# Altium PCB 4 Layers Motherboard.PcbDoc (part 1 of 3) (continued)
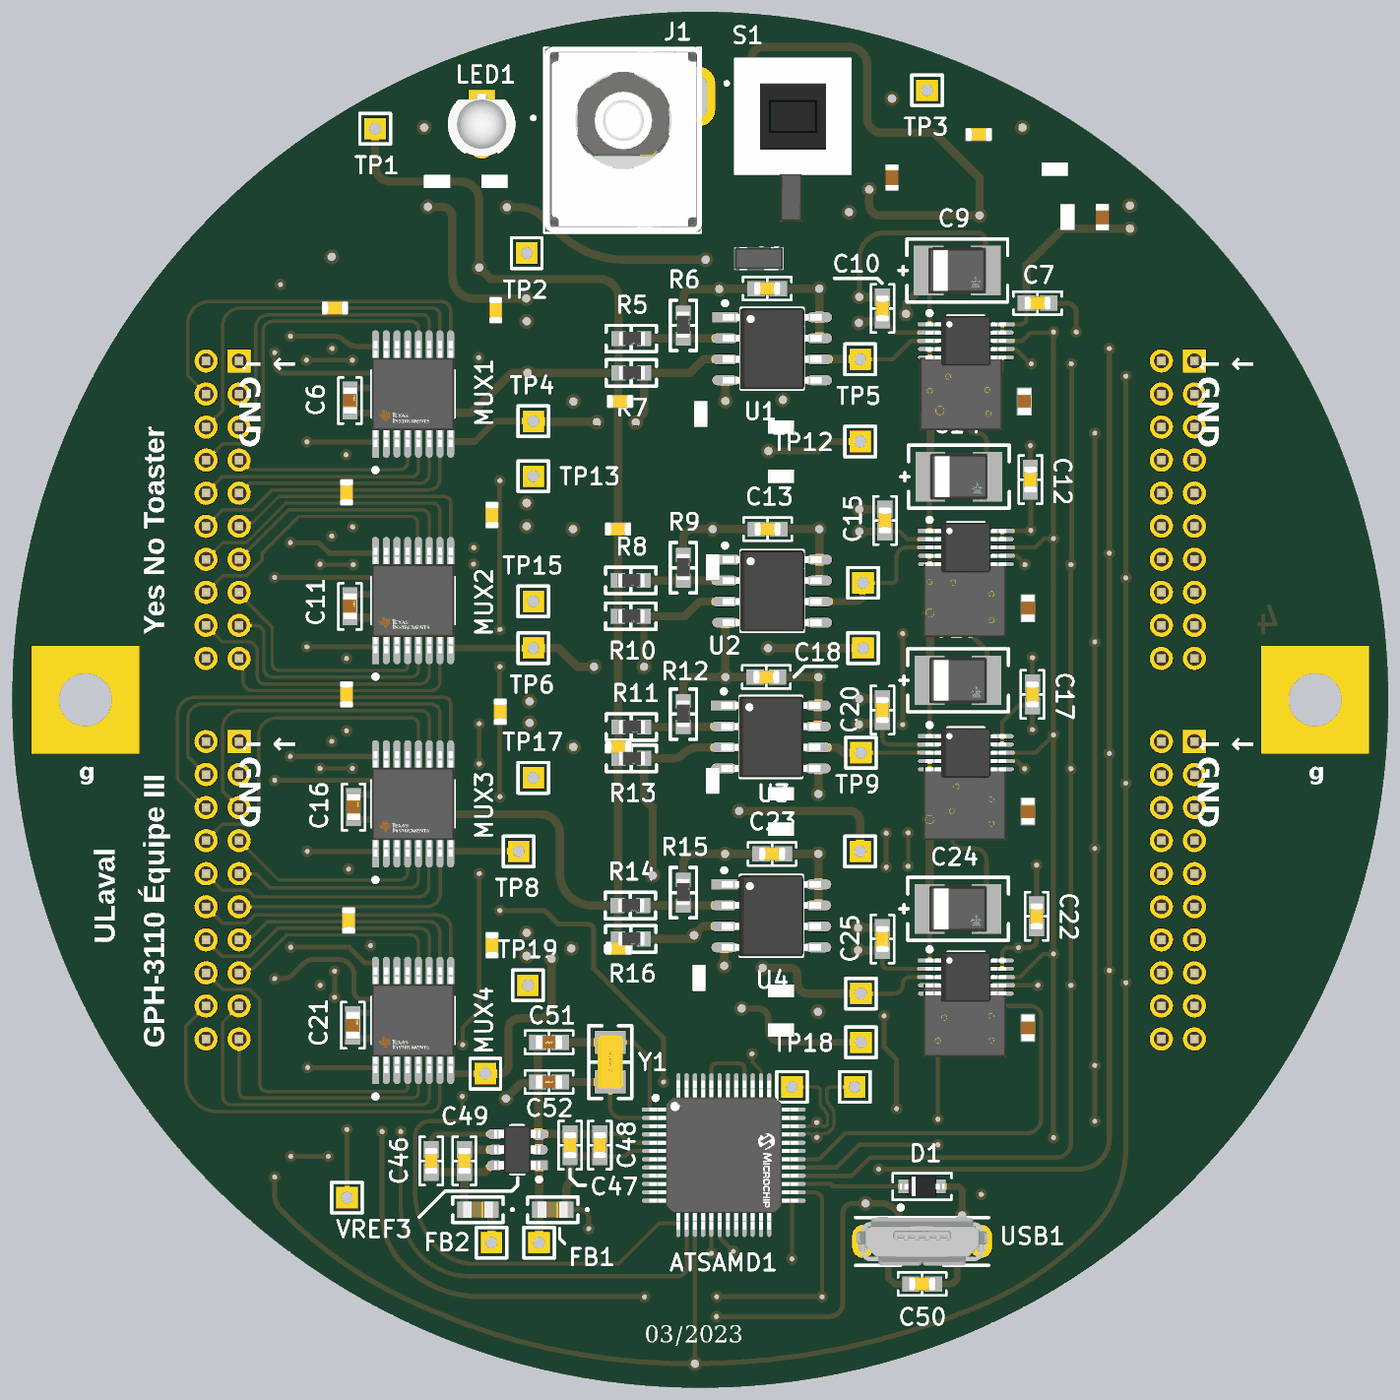
[diagram p7: 3D render of the assembled board from below, using the file's embedded part models]

## Layer stack, top to bottom
Top Solder: solder mask 0.0254, SM-001, Dk 4
Top Layer: signal copper 0.035
Dielectric 1: prepreg 0.1295, PP-017, Dk 4.3
Dielectric 2: prepreg 0.1295, PP-017, Dk 4.3
Int1 (GND): signal copper 0.035
Dielectric 3: core 0.7112, Core-039, Dk 4.8
Int2 (PWR): signal copper 0.035
Dielectric 4: prepreg 0.1295, PP-017, Dk 4.3
Dielectric 5: prepreg 0.1295, PP-017, Dk 4.3
Bottom Layer: signal copper 0.035
Bottom Solder: solder mask 0.0254, SM-001, Dk 4

## Board outline
-41.625,0 ccw(c0,0) 0,-41.625 ccw(c0,0) 41.625,0 ccw(c0,0) 0,41.625 ccw(c0,0)

## Design rules (kind name [scope] priority, off if disabled: settings)
BoardOutlineClearance BoardOutlineClearance_GND [InNet('DGND')] p1 off: gap=0.2 ignorepadtopadclearanceinfootprint=FALSE except(-0.5: Poly-CutoutEdge; 0: Poly-OutlineEdge)
BoardOutlineClearance [All] p2: gap=0.2 ignorepadtopadclearanceinfootprint=FALSE
Clearance [All] p1: gap=0.2 ignorepadtopadclearanceinfootprint=TRUE except(0.127: SMDPad-SMDPad; 0.15: Arc-Text Track-Text SMDPad-Text THPad-Text Via-Text Fill-Text Poly-Text Region-Text)
DiffPairsRouting [InDifferentialPair('D')] p1: maxlimit=1 minlimit=0.2 mostfreqgap=0.2 toplayer_minwidth=0.2 toplayer_maxwidth=0.5 toplayer_prefwidth=0.2 midlayer1_minwidth=0.2 midlayer1_maxwidth=0.5 midlayer1_prefwidth=0.2 midlayer2_minwidth=0.2 midlayer2_maxwidth=0.5 midlayer2_prefwidth=0.2 bottomlayer_minwidth=0.2 bottomlayer_maxwidth=0.5 bottomlayer_prefwidth=0.2 maxuncoupledlength=12.7
HoleSize [All] p1: absolutevalues=TRUE maxlimit=6.3 minlimit=0.15 maxpercent=80.000 minpercent=20.000
HoleToHoleClearance [All] p1: gap=0.5 allowstackedmicrovias=TRUE
Length [All] p1: maxlimit=2540 minlimit=0
MatchedLengths [InDifferentialPair('D')] p1: tolerance=25.4 checknetsindiffpair=TRUE checkdiffpairvsdiffpair=FALSE checkxsignals=FALSE checkothers=FALSE
MinimumAnnularRing [All] p1: minimumring=0.13
MinimumSolderMaskSliver [All] p1: minsoldermaskwidth=0.05
PolygonConnect [All] p1: connectstyle=Relief reliefconductorwidth=0.254 reliefentries=4 polygonreliefangle="90 Angle" airgapwidth=0.254
RoutingVias [All] p1: holewidth=0.3 width=0.7 viastyle="Through Hole" minholewidth=0.3 minwidth=0.7 maxholewidth=0.5 maxwidth=0.9
SilkToSilkClearance [All] p1: silktosilkclearance=0.15
SilkToSolderMaskClearance [IsPad] p1: minsilkscreentomaskgap=0.05 clearancetoexposedcopper=FALSE
SolderMaskExpansion [All] p1: expansion=0.05 istentingtop=FALSE
UnRoutedNet [All] p1: checkbadconnections=TRUE
Width [All] p1: maxlimit=0.5 minlimit=0.2 preferedwidth=0.3
23 further rules are at their usual default settings.

## Classes and differential pairs
component class Arduino: ATSAMD1 C46 C47 C48 C49 C50 C51 C52 D1 FB1 FB2 TP20 TP21 TP22 TP23 TP24 TVS2 USB1 VREF3 Y1
component class "Wheatstone bridge part I": *3 ADC1 ADC2 ADC3 C6 C7 C8 C9 C10 C11 C12 C13 C14 C15 C16 C17 C18 C19 C20 J2 MUX1 MUX2 MUX3 R5 R6 R7 R8 R9 R10 R11 R12 R13 TP4 TP5 TP6 TP7 TP8 TP9 U1 U2 U3
component class "Wheatstone bridge part II": *4 ADC4 ADC5 ADC6 C21 C22 C23 C24 C25 C26 C27 C28 C29 C30 C31 C32 C33 C34 C35 J3 J4 MUX4 MUX5 MUX6 R14 R15 R16 R17 R18 R19 R20 R21 R22 TP10 TP11 TP12 TP13 TP14 TP15 U4 U5 U6
component class "Wheatstone bridge part III": *5 ADC7 ADC8 C36 C37 C38 C39 C40 C41 C42 C43 C44 C45 J5 MUX7 MUX8 R23 R24 R25 R26 R27 R28 TP16 TP17 TP18 TP19 U7 U8
component class "Power Supply Unit": *2 C1 C2 C3 C4 C5 ESD1 J1 L1 L2 LED1 M1 M2 Q1 R1 R2 R3 R4 S1 TP1 TP2 TP3 VREF1 VREF2 VREG1
differential pair D: +D_P -D_N

## Components (designator, comment, footprint, x,y, rotation, side; value= is the part's Value field where it differs from the comment)
ADC1 "" MCP33141-10-E/MS -16.075,21.716 r180 bottom
ADC2 "" MCP33141-10-E/MS -16.075,9.211 r180 bottom
ADC3 "" MCP33141-10-E/MS -16.075,-3.206 r180 bottom
ADC4 "" MCP33141-10-E/MS -16.075,-16.777 r180 bottom
ADC5 "" MCP33141-10-E/MS 17.375,21.716 r0 top
ADC6 "" MCP33141-10-E/MS 17.375,9.211 r0 top
ADC7 "" MCP33141-10-E/MS 17.375,-3.206 r0 top
ADC8 "" MCP33141-10-E/MS 17.375,-16.775 r0 top
ATSAMD1 "" ATSAMD21G18-AU -1.425,-27.55 r180 bottom
C1 "Cap Ceramic 2.2 uF SMT 0603" "Cap Ceramic 2.2 uF 6.3V SMT 0603" 24.35,30.225 r270 top value=2.2μF
C2 "Cap Ceramic 0.22 uF SMT 0603" "Cap Ceramic 0.22 uF 25V SMT 0603" -11.6,31.6 r270 top
C3 "Cap Ceramic 0.1 uF SMT 0603" "Cap Ceramic 0.1 uF 50V SMT 0603" -16.85,34.2 r180 top
C4 "GRM188R60J106KE47J" "Cap Ceramic 10 uF SMT 0603" -24.325,29.194 r270 top
C5 "Cap Ceramic 2.2 uF SMT 0603" "Cap Ceramic 2.2 uF 6.3V SMT 0603" 2.083,25.952 r90 top value=2.2μF
C6 "CC0603JRX7R9BB104" "Cap Yaego 0603 MFG" 21.2,18.1 r270 bottom
C7 "CC0603JRX7R9BB104" "Cap Ceramic 0.1 uF 50V SMT 0603" -20.412,24 r180 bottom
C8 "CC0603JRX7R9BB104" "Cap Ceramic 0.1 uF 50V SMT 0603" -4.05,24.875 r0 bottom
C9 "Cap 10 uF 16V Tantalum 1411" "Cap Tantalum 10 uF 16V SMT 1411" -15.55,25.975 r0 bottom value=10μF
C10 "CC0603KPX7R7BB105" "Cap Ceramic 1 uF 16V SMT 0603" -11.025,23.675 r90 bottom value=1μF
C11 "CC0603JRX7R9BB104" "Cap Yaego 0603 MFG" 21.2,5.65 r270 bottom
C12 "CC0603JRX7R9BB104" "Cap Ceramic 0.1 uF 50V SMT 0603" -19.975,13.325 r90 bottom
C13 "CC0603JRX7R9BB104" "Cap Ceramic 0.1 uF 50V SMT 0603" -4.075,10.325 r0 bottom
C14 "Cap 10 uF 16V Tantalum 1411" "Cap Tantalum 10 uF 16V SMT 1411" -15.65,13.5 r0 bottom value=10μF
C15 "CC0603KPX7R7BB105" "Cap Ceramic 1 uF 16V SMT 0603" -11.175,10.85 r90 bottom value=1μF
C16 "CC0603JRX7R9BB104" "Cap Yaego 0603 MFG" 20.975,-6.5 r270 bottom
C17 "CC0603JRX7R9BB104" "Cap Ceramic 0.1 uF 50V SMT 0603" -20.1,0.323 r90 bottom
C18 "CC0603JRX7R9BB104" "Cap Ceramic 0.1 uF 50V SMT 0603" -4,1.375 r0 bottom
C19 "Cap 10 uF 16V Tantalum 1411" "Cap Tantalum 10 uF 16V SMT 1411" -15.6,1.175 r0 bottom value=10μF
C20 "CC0603KPX7R7BB105" "Cap Ceramic 1 uF 16V SMT 0603" -11.025,-0.625 r90 bottom value=1μF
C21 "Cap Ceramic 0.1 uF SMT 0603" "Cap Yaego 0603 MFG" 21.025,-19.7 r270 bottom
C22 "CC0603JRX7R9BB104" "Cap Ceramic 0.1 uF 50V SMT 0603" -20.35,-13.1 r90 bottom
C23 "Cap Ceramic 0.1 uF SMT 0603" "Cap Ceramic 0.1 uF 50V SMT 0603" -4.35,-9.325 r0 bottom
C24 "Cap 10 uF 16V Tantalum 1411" "Cap Tantalum 10 uF 16V SMT 1411" -15.6,-12.65 r0 bottom value=10μF
C25 "Cap Ceramic 1 uF SMT 0603" "Cap Ceramic 1 uF 16V SMT 0603" -11.025,-14.475 r90 bottom value=1μF
C26 "Cap Ceramic 0.1 uF SMT 0603" "Cap Yaego 0603 MFG" -19.6,18.049 r270 top
C27 "CC0603JRX7R9BB104" "Cap Ceramic 0.1 uF 50V SMT 0603" 22.1,23.7 r0 top
C28 "Cap Ceramic 0.1 uF SMT 0603" "Cap Ceramic 0.1 uF 50V SMT 0603" 4.85,18.055 r180 top
C29 "Cap 10 uF 16V Tantalum 1411" "Cap Tantalum 10 uF 16V SMT 1411" 16.875,25.875 r180 top value=10μF
C30 "Cap Ceramic 1 uF SMT 0603" "Cap Ceramic 1 uF 16V SMT 0603" 12.375,23.575 r90 top value=1μF
C31 "Cap Ceramic 0.1 uF SMT 0603" "Cap Yaego 0603 MFG" -19.825,5.55 r270 top
C32 "CC0603JRX7R9BB104" "Cap Ceramic 0.1 uF 50V SMT 0603" 21.4,12.55 r90 top
C33 "Cap Ceramic 0.1 uF SMT 0603" "Cap Ceramic 0.1 uF 50V SMT 0603" 4.975,10.325 r180 top
C34 "Cap 10 uF 16V Tantalum 1411" "Cap Tantalum 10 uF 16V SMT 1411" 16.85,13.425 r180 top value=10μF
C35 "Cap Ceramic 1 uF SMT 0603" "Cap Ceramic 1 uF 16V SMT 0603" 12.6,11.175 r90 top value=1μF
C36 "Cap Ceramic 0.1 uF SMT 0603" "Cap Yaego 0603 MFG" -19.825,-6.75 r270 top
C37 "CC0603JRX7R9BB104" "Cap Ceramic 0.1 uF 50V SMT 0603" 21.4,0.325 r90 top
C38 "Cap 10 uF 16V Tantalum 1411" "Cap Tantalum 10 uF 16V SMT 1411" 16.9,1.075 r180 top value=10μF
C39 "Cap Ceramic 0.1 uF SMT 0603" "Cap Ceramic 0.1 uF 50V SMT 0603" 4.95,-2.85 r180 top
C40 "Cap Ceramic 1 uF SMT 0603" "Cap Ceramic 1 uF 16V SMT 0603" 12.1,-0.725 r90 top value=1μF
C41 "Cap Ceramic 0.1 uF SMT 0603" "Cap Yaego 0603 MFG" -19.825,-19.85 r270 top
C42 "CC0603JRX7R9BB104" "Cap Ceramic 0.1 uF 50V SMT 0603" 21.275,-13.35 r90 top
C43 "Cap Ceramic 0.1 uF SMT 0603" "Cap Ceramic 0.1 uF 50V SMT 0603" 4.942,-15.035 r180 top
C44 "Cap 10 uF 16V Tantalum 1411" "Cap Tantalum 10 uF 16V SMT 1411" 16.85,-12.825 r180 top value=10μF
C45 "Cap Ceramic 1 uF SMT 0603" "Cap Ceramic 1 uF 16V SMT 0603" 12.6,-14.85 r90 top value=1μF
C46 "Cap Ceramic 2.2 uF SMT 0603" "Cap Ceramic 2.2 uF 6.3V SMT 0603" 16.275,-27.9 r90 bottom value=2.2μF
C47 "CC0603KRX7R5BB225" "Cap Ceramic 2.2 uF 6.3V SMT 0603" 7.875,-26.95 r270 bottom value=2.2μF
C48 "Cap Ceramic 0.1 uF SMT 0603" "Cap Ceramic 0.1 uF 50V SMT 0603" 6.075,-26.95 r90 bottom
C49 "Cap Ceramic 0.1 uF SMT 0603" "Cap Ceramic 0.1 uF 50V SMT 0603" 14.275,-27.9 r270 bottom
C50 "Cap Ceramic 0.1 uF SMT 0603" "Cap Ceramic 0.1 uF 50V SMT 0603" -13.425,-35.35 r0 bottom
C51 "CC0603JRNPO9BN200" "Capacitor 20 pF SMT 0603" 9.15,-20.725 r180 bottom
C52 "CC0603JRNPO9BN200" "Capacitor 20 pF SMT 0603" 9.15,-23.125 r180 bottom
D1 "NSR0530HT1G" "Schottky Diode 30V SMT" -13.425,-29.45 r0 bottom
ESD1 "PRTR5V0U2X,215" "TVS Diode Array Ultra-Low Capacitance" -3.55,26.7 r90 top
FB1 "MFBM1V1608-000-R" "Eaton Ferrite Bead 0603" 8.927,-30.85 r0 bottom value="0 Ohms @ 100 MHz"
FB2 "MFBM1V1608-000-R" "Eaton Ferrite Bead 0603" 13.452,-30.85 r0 bottom value="0 Ohms @ 100 MHz"
J1 "PJ-090BH" "DC Power Jack 2.5 mm" 4.7,35 r180 bottom
J2 "BF050-20-A-B-0400-0300-L-G" "Headers 20 Pos TH 0.079\" 4-3 - A" 28.9,11.498 r270 top
J3 "BF050-20-A-B-0400-0300-L-G" "Headers 20 Pos TH 0.079\" 4-3 - A" 28.9,-11.525 r270 top
J4 "BF050-20-A-B-0400-0300-L-G" "Headers 20 Pos TH 0.079\" 4-3 - A" -28.9,11.502 r270 top
J5 "BF050-20-A-B-0400-0300-L-G" "Headers 20 Pos TH 0.079\" 4-3 - A" -28.9,-11.525 r270 top
L1 "ILSB0603ER4R7K" "Inductor 4.7 uH SMT 0603" -13.725,31.6 r270 top value=4.7μH
L2 "ILSB0603ER4R7K" "Inductor 4.7 uH SMT 0603" -11.6,27.374 r270 top value=4.7μH
LED1 "151033GS03000" "Led 3 mm Vertical Clear" 13.227,34.82 r90 bottom
M1 "R30-3000702" "Keystone Square Washer pad" 37.2,0 r180 bottom
M2 "R30-3000702" "Keystone Square Washer pad" -37.2,0 r180 bottom
MUX1 "TMUX1208PWR" TMUX1208PWR 17.375,18.499 r90 bottom
MUX2 "TMUX1208PWR" TMUX1208PWR 17.375,6 r90 bottom
MUX3 "TMUX1208PWR" TMUX1208PWR 17.375,-6.3 r90 bottom
MUX4 "TMUX1208PWR" TMUX1208PWR 17.375,-19.4 r90 bottom
MUX5 "TMUX1208PWR" TMUX1208PWR -15.775,18.499 r90 top
MUX6 "TMUX1208PWR" TMUX1208PWR -16,6 r90 top
MUX7 "TMUX1208PWR" TMUX1208PWR -16,-6.3 r90 top
MUX8 "TMUX1208PWR" TMUX1208PWR -16,-19.4 r90 top
Q1 "IRLML9303TRPBF" IRLML9303TRPBF -5.5,30.4 r180 top
R1 "RC0603FR-072K61L" "Resistor Yaego SMT 0603" 12.45,31.35 r0 top value=2K61
R2 "RC0603FR-074K64L" "Resistor Yaego SMT 0603" 15.927,31.35 r180 top value=4K64
R3 "Res 22K1 SMT 0603" "Resistor Yaego SMT 0603" -21.448,32.1 r0 top value=22K1
R4 "Res 88K7 SMT 0603" "Res 88K7 1% SMT 0603" -22.225,29.208 r270 top
R5 "Res 10K SMT 0603" "Res 10K 0.1% SMT 0603" 4.175,21.85 r180 bottom value=10K
R6 "Res 10K SMT 0603" "Res 10K 0.1% SMT 0603" 1.025,22.647 r90 bottom value=10K
R7 "Res 10K SMT 0603" "Res 10K 0.1% SMT 0603" 4.175,19.775 r180 bottom value=10K
R8 "Res 10K SMT 0603" "Res 10K 0.1% SMT 0603" 4.2,7.22 r180 bottom value=10K
R9 "Res 10K SMT 0603" "Res 10K 0.1% SMT 0603" 1.025,7.987 r90 bottom value=10K
R10 "Res 10K SMT 0603" "Res 10K 0.1% SMT 0603" 4.2,5.05 r180 bottom value=10K
R11 "Res 10K SMT 0603" "Res 10K 0.1% SMT 0603" 4.175,-1.65 r180 bottom value=10K
R12 "Res 10K SMT 0603" "Res 10K 0.1% SMT 0603" 1.025,-0.873 r90 bottom value=10K
R13 "Res 10K SMT 0603" "Res 10K 0.1% SMT 0603" 4.175,-3.55 r180 bottom value=10K
R14 "Res 10K SMT 0603" "Res 10K 0.1% SMT 0603" 4.225,-12.45 r180 bottom value=10K
R15 "Res 10K SMT 0603" "Res 10K 0.1% SMT 0603" 1.025,-11.673 r90 bottom value=10K
R16 "Res 10K SMT 0603" "Res 10K 0.1% SMT 0603" 4.2,-14.475 r180 bottom value=10K
R17 "Res 10K SMT 0603" "Res 10K 0.1% SMT 0603" -4.9,16.502 r0 top value=10K
R18 "Res 10K SMT 0603" "Res 10K 0.1% SMT 0603" -0.025,17.278 r90 top value=10K
R19 "Res 10K SMT 0603" "Res 10K 0.1% SMT 0603" -4.9,13.52 r0 top value=10K
R20 "Res 10K SMT 0603" "Res 10K 0.1% SMT 0603" -4.9,7.22 r0 top value=10K
R21 "Res 10K SMT 0603" "Res 10K 0.1% SMT 0603" -0.75,7.997 r90 top value=10K
R22 "Res 10K SMT 0603" "Res 10K 0.1% SMT 0603" -4.9,4.875 r0 top value=10K
R23 "Res 10K SMT 0603" "Res 10K 0.1% SMT 0603" -4.9,-5.7 r0 top value=10K
R24 "Res 10K SMT 0603" "Res 10K 0.1% SMT 0603" -0.75,-4.912 r90 top value=10K
R25 "Res 10K SMT 0603" "Res 10K 0.1% SMT 0603" -4.9,-7.825 r0 top value=10K
R26 "Res 10K SMT 0603" "Res 10K 0.1% SMT 0603" -4.902,-17.615 r0 top value=10K
R27 "Res 10K SMT 0603" "Res 10K 0.1% SMT 0603" 0.075,-16.838 r90 top value=10K
R28 "Res 10K SMT 0603" "Res 10K 0.1% SMT 0603" -4.9,-19.99 r0 top value=10K
S1 "TL2230EEF100" "SW DPDT Pushbutton" -5.64,35.395 r270 bottom
TP1 "Test Point" "SQ PAD" 19.667,34.55 r90 bottom
TP2 "Test Point" "SQ PAD" 10.5,27.025 r90 bottom
TP3 "Test Point" "SQ PAD" -13.725,36.875 r90 bottom
TP4 "Test Point" "SQ PAD" 10.1,16.85 r90 bottom
TP5 "Test Point" "SQ PAD" -9.675,20.6 r90 bottom
TP6 "Test Point" "SQ PAD" 10.1,3.125 r90 bottom
TP7 "Test Point" "SQ PAD" -9.85,7.075 r90 top
TP8 "Test Point" "SQ PAD" 10.987,-9.175 r0 bottom
TP9 "Test Point" "SQ PAD" -9.725,-3.206 r90 bottom
TP10 "Test Point" "SQ PAD" 13,-22.625 r90 top
TP11 "Test Point" "SQ PAD" -9.725,-17.775 r90 top
TP12 "Test Point" "SQ PAD" -9.675,15.623 r90 top
TP13 "Test Point" "SQ PAD" 10.1,13.52 r90 bottom
TP14 "Test Point" "SQ PAD" -9.85,3.125 r180 top
TP15 "Test Point" "SQ PAD" 10.1,5.95 r90 bottom
TP16 "Test Point" "SQ PAD" -9.675,-9.175 r180 top
TP17 "Test Point" "SQ PAD" 10.1,-4.725 r90 bottom
TP18 "Test Point" "SQ PAD" -9.725,-20.725 r90 bottom
TP19 "Test Point" "SQ PAD" 10.425,-17.275 r90 bottom
TP20 "Test Point" "SQ PAD" 9.75,-32.85 r90 top
TP21 "Test Point" "SQ PAD" 12.63,-32.85 r90 top
TP22 "Test Point" "SQ PAD" 21.375,-30.125 r90 bottom
TP23 "Test Point" "SQ PAD" -9.35,-23.425 r90 top
TP24 "Test Point" "SQ PAD" -5.55,-23.425 r90 top
TVS2 "USB OTG TVS Diode Array 25V Clamp SMD" RCLAMP0504FA.TCT -13.425,-29.925 r0 top
U1 "" MCP6N11-100E/SN -4.35,21.235 r180 bottom
U2 "" MCP6N11-100E/SN -4.35,6.575 r180 bottom
U3 "" MCP6N11-100E/SN -4.275,-2.25 r180 bottom
U4 "Instrumentation Op Amp 35 MHz 8 pins" MCP6N11-100E/SN -4.3,-13.075 r180 bottom
U5 "Instrumentation Op Amp 35 MHz 8 pins" MCP6N11-100E/SN 4.842,14.155 r0 top
U6 "Instrumentation Op Amp 35 MHz 8 pins" MCP6N11-100E/SN 4.842,6.585 r0 top
U7 "Instrumentation Op Amp 35 MHz 8 pins" MCP6N11-100E/SN 4.842,-6.705 r0 top
U8 "Instrumentation Op Amp 35 MHz 8 pins" MCP6N11-100E/SN 4.942,-18.735 r0 top
USB1 "USB3106-30-0230-A" "USB MICRO-AB CONNECTOR B" -13.425,-32.55 r180 bottom
VREF1 "Voltage Reference Series Fixed 3.3V" MCP1501T-XXE/CHY 21,30.275 r0 top
VREF2 "Voltage Reference Series Fixed 1.8V" MCP1501T-XXE/CHY 5.375,25.952 r180 top
VREF3 "Voltage Reference Series Fixed 3.3V" MCP1501T-XXE/CHY 11.075,-27.223 r0 bottom
VREG1 "Buck Adjustable Switching Reg Pos" LMR50410YFQDBVRQ1 -16.9,31.5 r0 top
Y1 "ABS07-120-32.768KHZ-T" "ABS07-120-32.768KHZ-T A" 5.45,-21.925 r90 bottom value=32.768kHz
